# Altium PCB PMT_simulator.PcbDoc (part 5 of 5)
Units mm, origin at the board's own origin, x right, y up, seen from the top; angles counter-clockwise.
Board outline 222.04 x 100 mm, 4 copper layers (TopLayer, Internal Plane 1, Internal Plane 2, BottomLayer), stack 1.512 mm thick; 404 components, 266 nets, 1336 pads, 865 vias.
Unrouted connection lines stored in the file: 3.
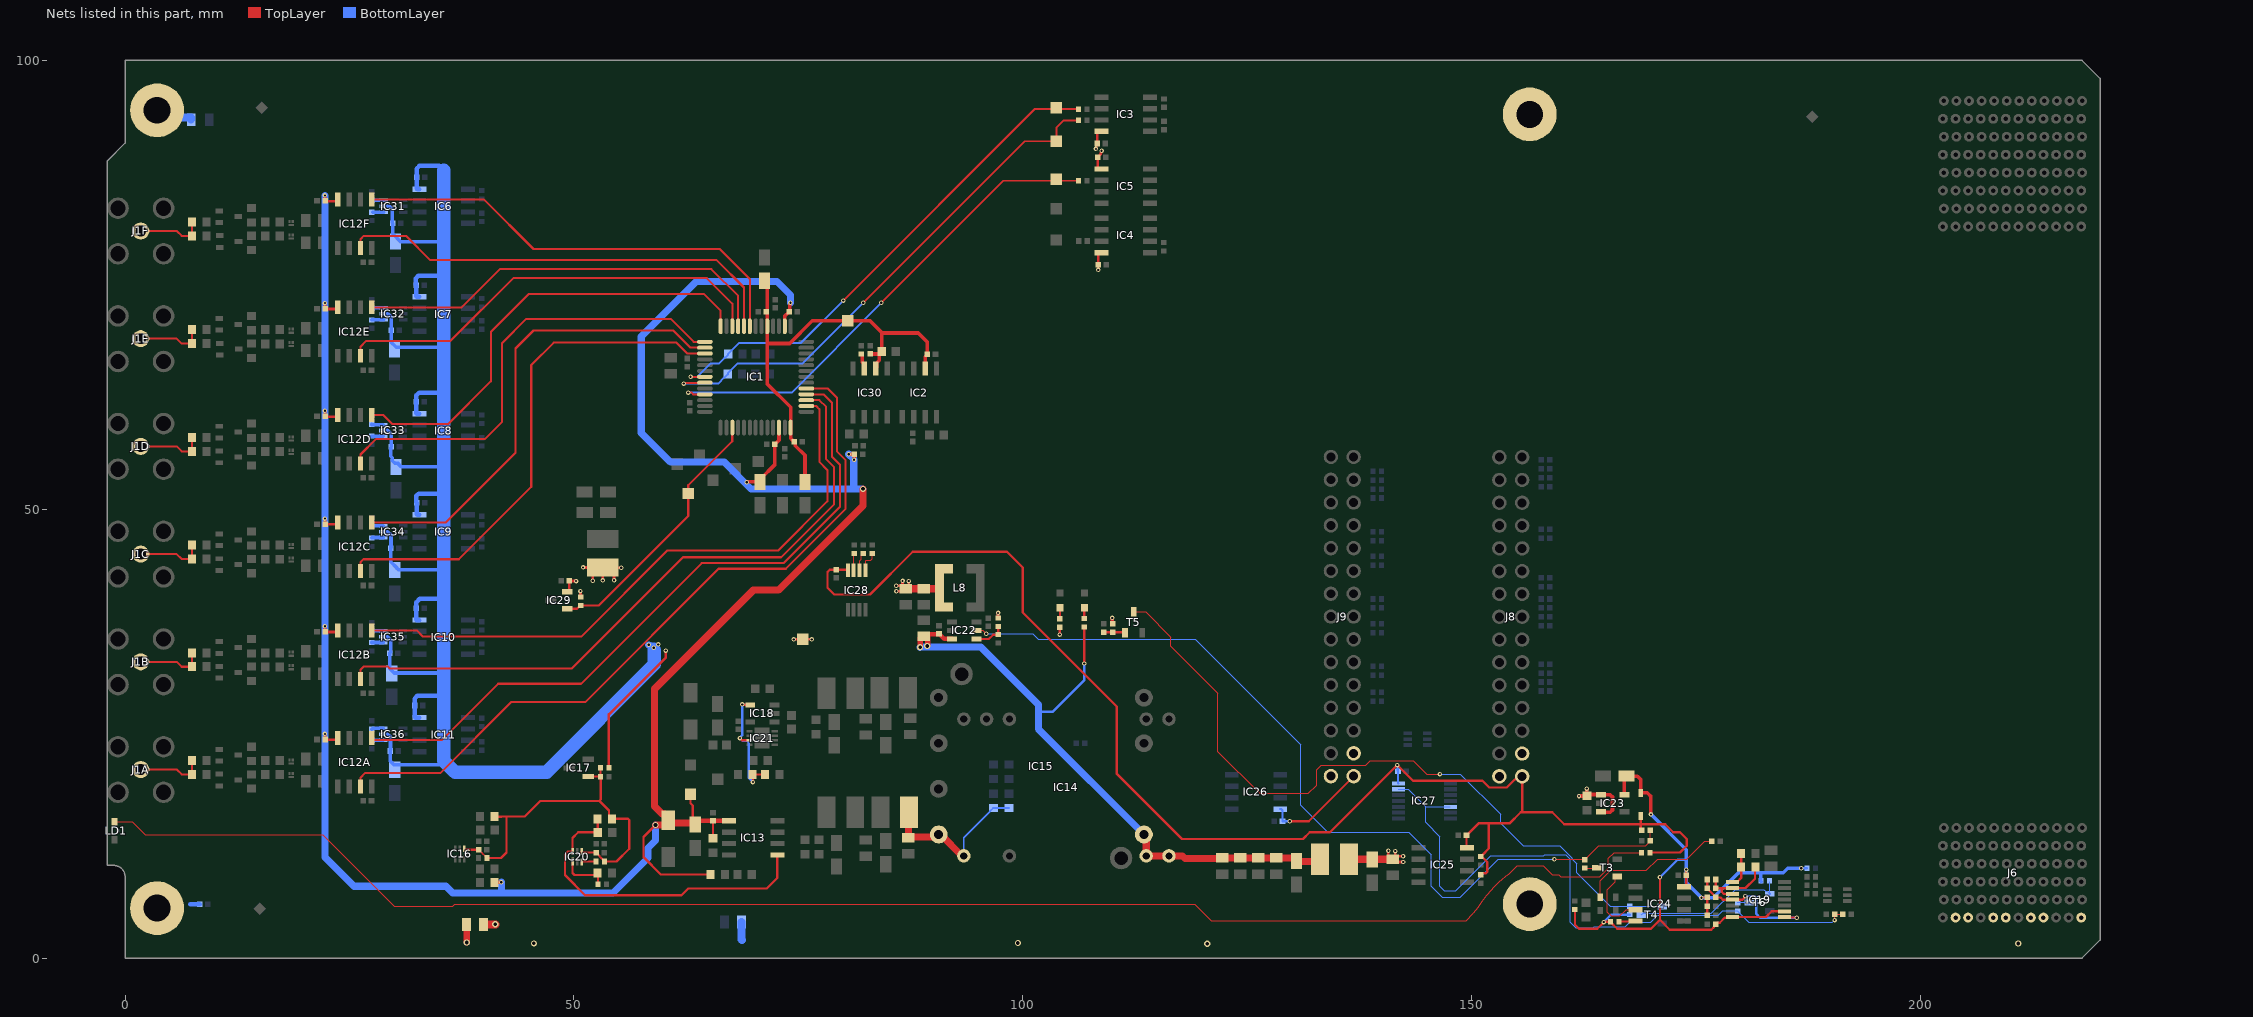
[diagram p7: the nets of this part, all layers, seen from the top]

## Via types
v1: diameter 0.5, hole 0.25, TopLayer to BottomLayer, tented both sides, 509 vias
v2: diameter 0.6, hole 0.3, TopLayer to BottomLayer, tented both sides, 338 vias
v3: diameter 0.7, hole 0.4, TopLayer to BottomLayer, tented both sides, 14 vias
v4: diameter 0.5, hole 0.25, TopLayer to BottomLayer, 4 vias

## Nets (pads, with @x,y where several pads share a name; then routed paths per layer and width w, separated by ;. In a path a pad name is that pad's centre, name@x,y a point inside that pad or via, vN(x,y) a via of type N, cw(c..) or ccw(c..) an arc to the next point about the centre after c; other vN are vias at no path point) (continued)
NetIC18_4: IC18.4 IC21.3 R60.1 R62.2 | length 14
  TopLayer w0.254: v1(68.5,24.5) 68.741,24.259 IC21.3@69.567,24.259 ; v1(68.75,28.25) 68.775,28.225 69.625,28.225 IC18.4@69.65,28.2 ; v1(69.956,19.606) 69.956,20.384 R60.1@69.9,20.44 R62.2@71.3,20.44
  BottomLayer w0.254: v1(68.75,28.25) 68.766,28.234 68.766,24.833 68.5,24.567 v1(68.5,24.5) 68.784,24.216 69.284,24.216 69.5,24 69.5,20.062 v1(69.956,19.606)
NetIC19_1: IC19.1 IC19.11 R41.1 R48.1 R54.1 | length 15.2
  TopLayer w0.254: R54.1@176.28,8.75 R48.1@176.28,7.75 176.28,7.73 177.057,6.953 177.057,6.913 R41.1@177.22,6.75 177.75,6.75 178,6.5 IC19.11@179.1,6.5 180.206,6.5 180.453,6.747 180.453,6.855 v1(180.5,6.902) ; IC19.1@184.9,4.55 184.933,4.517 186.203,4.517 v1(186.237,4.484)
  BottomLayer w0.254: v1(180.5,6.902) 181.598,6.902 181.75,6.75 181.75,4.899 182.165,4.484 v1(186.237,4.484)
NetIC19_8: IC19.8 R66.1 R72.1 | length 3.9
  TopLayer w0.254: IC19.8@179.1,8.45 179.6,8.45 179.698,8.548 179.698,8.564 180.05,8.916 R66.1@180.05,10.147 R72.1@180.05,11.647
NetIC19_9: IC19.9 IC19.10 R48.2 R54.2 R66.2 | length 8.9
  TopLayer w0.254: R54.2@177.22,8.75 R48.2@177.22,7.75 177.245,7.775 177.888,7.775 ; IC19.10@179.1,7.15 179.072,7.122 178.147,7.122 177.888,7.38 177.888,7.775 ; R66.2@181.65,10.147 181.586,10.083 181.586,8.836 180.55,7.8 IC19.9@179.1,7.8 179.075,7.775 177.888,7.775
NetIC20_1: IC20.1 R61.1 R65.2 | length 5.5
  TopLayer w0.254: IC20.1@49.856,10.756 49.856,9.464 50.071,9.25 52.41,9.25 R65.2@52.64,9.48 52.694,9.426 R61.1@52.694,8.242
NetIC20_3: IC20.3 R63.1 | length 1.7
  TopLayer w0.254: IC20.3@50.857,10.707 50.857,10.737 50.87,10.75 R63.1@52.48,10.75
NetIC22_4: IC22.4 R67.1 R68.2 | length 3.5
  TopLayer w0.254: IC22.4@94.85,35.55 96.237,35.55 96.716,36.029 R68.2@97.272,36.029 97.269,36.032 97.269,36.935 R67.1@97.265,36.939
NetIC22_5: IC22.5 R70.2 R75.2 R78.2 | length 97
  TopLayer w0.125: IC22.5@94.85,36.5 95.569,36.5 v1(95.946,36.123) ; v1(159.25,11) 162.569,11 R70.2@162.612,10.957 162.632,10.957 164.175,12.5 169.4,12.5 169.921,13.021 R78.2@169.921,13.041 169.92,13.042 R75.2@169.92,14.005 ; R75.2@169.761,14.076 R75.2@169.761,14.104
  BottomLayer w0.125: v1(95.946,36.123) 101.127,36.123 101.75,35.5 119.25,35.5 131,23.75 131,17 134,14 143,14 145.5,11.5 145.5,8 146.75,6.75 148.75,6.75 153,11 v1(159.25,11)
NetIC24_4: IC24.4 R71.2 | length 1.9
  TopLayer w0.254: R71.2@166.434,4.025 166.482,4.073 168.217,4.073 IC24.4@168.264,4.12
NetIC28_5: IC28.5 R79.2 | length 2.5
  TopLayer w0.125: IC28.5@82.475,43.2 82.5,43.225 82.5,44.269 82.573,44.342 83.092,44.342 83.25,44.5 R79.2@83.25,45.06
NetIC28_6: IC28.6 R80.2 | length 2
  TopLayer w0.125: IC28.6@81.825,43.2 81.825,44.256 82.003,44.433 82.003,44.833 82.23,45.06 R80.2@82.25,45.06
NetIC28_7: IC28.7 R81.2 | length 1.9
  TopLayer w0.125: IC28.7@81.175,43.2 81.175,44.985 R81.2@81.25,45.06
NetIC30_7: IC30.7 R39.2 | length 1.7
  TopLayer w0.4: R39.2@82,67.28 82.018,67.28 82.108,67.19 82.108,66.432 82.365,66.175 IC30.7@82.365,65.7
NetIC31_4: IC31.4 R14.2 | length 1.2
  BottomLayer w0.4: R14.2@27.594,83.098 27.599,83.103 IC31.4@28.792,83.103
NetIC31_6: IC31.6 R12.2 | length 1.3
  BottomLayer w0.4: R12.2@27.5,84.422 27.519,84.403 IC31.6@28.792,84.403
NetIC32_4: IC32.4 R18.2 | length 1.3
  BottomLayer w0.4: R18.2@27.5,71.096 27.536,71.132 IC32.4@28.794,71.132
NetIC32_6: IC32.6 R16.2 | length 1.3
  BottomLayer w0.4: R16.2@27.5,72.389 27.543,72.432 IC32.6@28.794,72.432
NetIC33_4: IC33.4 R22.2 | length 1.3
  BottomLayer w0.4: R22.2@27.5,58.152 27.527,58.125 IC33.4@28.759,58.125
NetIC33_6: IC33.6 R20.2 | length 1.3
  BottomLayer w0.4: R20.2@27.5,59.441 27.515,59.425 IC33.6@28.759,59.425
NetIC34_4: IC34.4 R26.2 | length 1.3
  BottomLayer w0.4: R26.2@27.5,46.802 27.548,46.85 IC34.4@28.773,46.85
NetIC34_6: IC34.6 R24.2 | length 1.3
  BottomLayer w0.4: R24.2@27.5,48.117 27.533,48.15 IC34.6@28.773,48.15
NetIC35_4: IC35.4 R30.2 | length 1.3
  BottomLayer w0.4: R30.2@27.5,35.151 27.502,35.154 IC35.4@28.754,35.154
NetIC35_6: IC35.6 R28.2 | length 1.3
  BottomLayer w0.4: R28.2@27.5,36.419 27.535,36.454 IC35.6@28.754,36.454
NetIC36_4: IC36.4 R34.2 | length 1.3
  BottomLayer w0.4: R34.2@27.5,24.25 27.528,24.278 IC36.4@28.764,24.278
NetIC36_6: IC36.6 R32.2 | length 1.3
  BottomLayer w0.4: R32.2@27.5,25.5 27.578,25.578 IC36.6@28.764,25.578
NetJ1A_1: J1A.1 R36A.1 R40A.1 | length 7.5
  TopLayer w0.23: J1A.1@1.75,21 5.75,21 6.296,20.454 R36A.1@7.45,20.454 R40A.1@7.45,22
NetJ1B_1: J1B.1 R36B.1 R40B.1 | length 7.5
  TopLayer w0.23: J1B.1@1.75,33 5.75,33 6.296,32.454 R36B.1@7.45,32.454 R40B.1@7.45,34
NetJ1C_1: J1C.1 R36C.1 R40C.1 | length 7.5
  TopLayer w0.23: J1C.1@1.75,45 5.75,45 6.296,44.454 R36C.1@7.45,44.454 R40C.1@7.45,46
NetJ1D_1: J1D.1 R36D.1 R40D.1 | length 7.5
  TopLayer w0.23: J1D.1@1.75,57 5.75,57 6.296,56.454 R36D.1@7.45,56.454 R40D.1@7.45,58
NetJ1E_1: J1E.1 R36E.1 R40E.1 | length 7.5
  TopLayer w0.23: J1E.1@1.75,69 5.75,69 6.296,68.454 R36E.1@7.45,68.454 R40E.1@7.45,70
NetJ1F_1: J1F.1 R36F.1 R40F.1 | length 7.5
  TopLayer w0.23: J1F.1@1.75,81 5.75,81 6.296,80.454 R36F.1@7.45,80.454 R40F.1@7.45,82
NetLD1_2: LD1.2 R82.1 | length 179.8
  TopLayer w0.125: LD1.2@-1.178,15.185 0.815,15.185 2.25,13.75 22,13.75 30,5.75 36.5,5.75 36.73,5.98 119.181,5.98 120.999,4.162 149.412,4.162 150.218,4.968 cw(c180.401,-16.117) 152.186,7.537 cw(c158.725,2.051) 152.69,8.087 cw(c160.494,0.282) 154.174,9.33 155.106,10.262 157.983,10.262 158.995,9.25 159.75,9.25 159.939,9.061 164.311,9.061 165.25,10 165.25,11.103 165.897,11.75 168.937,11.75 R82.1@168.946,11.741
NetLD2_2: LD2.2 R88.1 | length 1.2
  TopLayer w0.254: R88.1@106.873,37.819 106.873,38.998 LD2.2@106.901,39.025
NetLD3_2: LD3.2 R89.1 | length 1.2
  TopLayer w0.254: LD3.2@104.151,39.025 104.153,39.023 R89.1@104.153,37.791
NetR70_1: R70.1 T3.3 | length 1.4
  TopLayer w0.125: R70.1@162.612,10.017 163.932,10.017 T3.3@163.962,10.047
NetR74_1: R74.1 T4.1 T5.3 | length 82.1
  TopLayer w0.127: T5.3@112.372,38.559 113.697,38.559 116.5,35.756 116.5,34.75 121.75,29.5 121.75,23 126.41,18.34 131.84,18.34 132.75,19.25 132.75,21 133.25,21.5 138.25,21.5 138.75,22 143.5,22 145,20.5 v1(146.5,20.5)
  BottomLayer w0.127: v1(146.5,20.5) 148.75,20.5 153.25,16 153.25,15 155.75,12.5 159.858,12.5 161.253,11.105 161.253,10.997 161.75,10.5 161.75,9.5 165.477,5.773 R74.1@167.63,5.773 171.224,5.773 T4.1@171.241,5.755
NetR84_1: R84.1 R85.2 T5.1 | length 2.4
  TopLayer w0.254: R85.2@109.017,36.3 111.38,36.3 T5.1@111.422,36.259
NetR86_1: R86.1 T6.3 | length 1.3
  BottomLayer w0.127: R86.1@179.651,6.168 179.683,6.2 T6.3@180.95,6.2
P3V3: C21.2 C22.2 C23.2 C24.2 C25.2 C26.2 C27.2 C28.2 C29.2 C72.2 C73.2 C81.2 C84.2 C85.2 C86.2 C87.2 C88.2 C89.2 C90.1 C91.1 C92.1 C93.1 C94.1 C95.1 IC3.8 IC4.8 IC5.1 IC6.8 IC7.8 IC8.8 IC9.8 IC10.8 IC11.8 IC29.2 IC31.5 IC32.5 IC33.5 IC34.5 IC35.5 IC36.5 L1.1 L8.2 R56.1 R67.2 R83.2 R84.2 R89.2 TP16.1 | length 234.2
  TopLayer w0.254: v1@104.144,36.051 R89.2@104.144,36.842
  TopLayer w0.3: IC29.2@49.25,40.799 49.343,40.799 49.493,40.949 C81.2@49.493,42.01 49.498,42.005 50.245,42.005 v1(50.25,42) ; v1(50.736,40.883) 50.743,40.876 50.743,40.227 R83.2@50.75,40.22 ; v1(51.02,43.514) L1.1@51.96,43.514 ; v1(52.105,42.029) L1.1@52.105,42.969 ; v1(53.222,42.064) L1.1@53.222,43.003 ; R56.1@53.9,21.19 53.9,27.15 60.25,33.5 v1(60.25,34.25) ; L1.1@54.347,43.472 v1(55.286,43.472) ; v1(54.478,42.077) L1.1@54.478,43.017 ; v1(74.5,35.5) TP16.1@75.5,35.5 v1(76.5,35.5) ; v1(85.924,41.476) C73.2@86.625,41.476 ; v1(85.938,40.849) C73.2@86.877,40.849 ; C73.2@86.625,41.15 C73.2@86.625,41.476 ; v1(86.625,42.006) C73.2@86.625,41.476 ; C73.2@86.864,41.476 C73.2@86.625,41.476 ; C73.2@87.315,41.057 87.315,41.15 v1(87.315,41.997) ; v1(97.259,38.452) 97.262,38.449 97.262,37.882 R67.2@97.265,37.879 ; v1(108.168,90.139) 108.206,90.177 108.206,90.656 C26.2@108.3,90.75 108.3,91.945 108.45,92.095 IC3.8@108.8,92.095 ; C22.2@108.378,89.169 108.378,88.055 108.296,88.055 108.446,87.905 IC5.1@108.8,87.905 ; C22.2@108.378,89.239 108.691,89.552 108.691,89.672 108.76,89.741 108.76,89.907 v1(108.798,89.945) ; v1(108.423,76.657) 108.425,76.659 108.425,77.252 C23.2@108.427,77.254 ; C23.2@108.423,77.254 108.423,78.445 108.573,78.595 IC4.8@108.8,78.595
  TopLayer w0.4: v1(104.135,36.042) v1@104.144,36.051 ; R89.2@104.144,36.842 R89.2@104.153,36.851 ; v1(109.975,37.884) 109.994,37.864 109.994,37.267 R84.2@110.022,37.239
  TopLayer w0.8: C73.2@87,41.15 87.315,41.15 C72.2@89,41.15 90.663,41.15 90.738,41.225 L8.2@90.738,41.229
  BottomLayer w0.4: IC35.5@28.754,35.804 29.242,35.804 29.581,35.465 29.581,34.064 C88.2@29.495,33.978 29.495,32.255 30,31.75 35.336,31.75 35.5,31.586 ; IC33.5@28.759,58.775 29.246,58.775 29.673,58.349 C86.2@29.673,56.941 29.597,56.865 29.597,55.903 29.771,55.729 29.771,55.41 30.036,55.145 30.355,55.145 30.75,54.75 35.5,54.75 ; IC36.5@28.764,24.928 29.251,24.928 29.566,24.614 C89.2@29.566,23.199 ; IC34.5@28.773,47.5 29.26,47.5 29.63,47.13 29.63,45.698 C87.2@29.595,45.663 29.595,44.155 30.304,43.446 30.304,43.405 30.459,43.25 35.5,43.25 ; IC31.5@28.792,83.753 29.497,83.753 29.75,83.5 29.75,81.949 C84.2@29.816,81.883 29.816,80.684 30.681,79.819 35.5,79.819 ; IC32.5@28.794,71.782 29.281,71.782 29.631,71.433 C85.2@29.631,69.929 29.631,68.619 30.213,68.037 35.5,68.037 ; C89.2@29.557,23.064 29.557,21.943 29.951,21.549 35.49,21.549 35.705,21.764
  BottomLayer w0.5: IC11.8@32.8,26.79 32.325,26.79 32.254,26.861 C24.2@32.254,28.133 32.254,28.91 32.547,29.203 35.5,29.203 ; IC10.8@32.8,37.655 32.473,37.655 32.423,37.705 C27.2@32.423,38.99 32.459,39.026 32.459,39.634 32.836,40.011 35.5,40.011 ; IC9.8@32.8,49.405 32.525,49.405 32.475,49.455 C29.2@32.475,50.743 32.453,50.766 32.453,51.496 32.707,51.75 35.291,51.75 35.5,51.959 ; IC8.8@32.8,60.655 32.502,60.655 32.452,60.705 C28.2@32.452,61.98 32.464,61.991 32.464,62.707 32.757,63 35.5,63 ; IC7.8@32.8,73.655 32.475,73.655 32.425,73.705 C25.2@32.425,74.961 32.385,75.001 32.385,75.707 32.678,76 35.5,76 ; IC6.8@32.8,85.655 32.556,85.655 32.506,85.705 C21.2@32.506,86.991 32.506,87.957 32.798,88.25 35,88.25 35.5,87.75
  BottomLayer w0.8: v1(58.345,34.889) 58.361,34.889 58.488,34.762 v1@58.958,34.762 ; v1@58.715,34.519 58.961,34.273
  BottomLayer w1.5: 35.5,87.75 35.5,79.819 35.5,76 35.5,68.037 35.5,63 35.5,54.75 35.5,51.959 35.5,43.25 35.5,40.011 35.5,31.586 35.5,29.203 35.5,21.969 35.705,21.764 36.762,20.707 46.957,20.707 58.961,32.711 58.961,34.273
  other v1: 58.904,34.558 59.399,34.943
P3V3_DIOT: C65.1 C74.2 C76.2 D9.2 IC19.2 IC19.14 IC23.5 IC24.8 R41.2 R46.1 R64.1 R69.1 R71.1 R73.1 R74.2 R87.2 | length 78
  TopLayer w0.254: R73.1@161.524,5.397 161.533,5.388 161.533,3.717 162,3.25 164.023,3.25 v1@164.762,3.988 ; v1@164.808,4.028 165.491,4.028 R71.1@165.494,4.025 165.494,4.005 166.249,3.25 170,3.25 171,4.25 ; v1(171,9) 171,4.25 ; IC24.8@173.664,7.93 173.75,7.93 173.923,8.103 C76.2@173.923,9.239 173.926,9.242 173.926,9.845 v1(173.928,9.848) ; v1(175.633,6.708) 175.654,6.729 176.259,6.729 R41.2@176.28,6.75 R64.1@176.28,5.75 R46.1@176.28,4.75 ; C74.2@177.2,3.753 177.017,3.57 177.017,3.463 176.71,3.155 172.095,3.155 171,4.25 ; C74.2@177.383,3.936 177.662,3.936 178.198,4.472 179.022,4.472 IC19.14@179.1,4.55 ; IC19.14@179.431,4.568 182.818,4.568 183.45,5.2 IC19.2@184.9,5.2
  TopLayer w0.4: IC23.5@167.05,18.2 167.05,20.065 C65.1@167.264,20.279 167.294,20.25 168.5,20.25 168.86,19.89 D9.2@168.86,18.407 169.593,18.407 169.749,18.25 170,18 v1(170,16)
  BottomLayer w0.254: v1(164.75,4) 165.583,4.833 R74.2@167.63,4.833 ; v1(171,9) 172.96,10.96 173.928,10.96 ; v1(186.75,10) 186.756,10.006 187.385,10.006 R69.1@187.391,10.011
  BottomLayer w0.4: v1(170,16) 173.928,12.072 173.928,10.96 v1(173.928,9.848) 173.928,8.412 v1(175.633,6.708) 176.958,6.708 179.75,9.5 182.146,9.5 ; R87.2@182.28,8.5 182.236,8.544 182.236,9.41 182.146,9.5 ; v1(186.75,10) 185.25,10 184.75,9.5 182.146,9.5
P3V3_MP: C79.2 C80.2 C219.2 D9.1 IC25.8 IC27.14 IC28.8 J8.30 R75.1 R76.2 R77.2 R82.2 | length 157.5
  TopLayer w0.254: IC28.8@80.525,43.2 80.475,43.25 C80.2@79.25,43.25 78.5,43.25 78.25,43 78.25,41.25 79,40.5 83,40.5 87.75,45.25 98.25,45.25 100,43.5 100,38.5 110.5,28 110.5,20.5 117.75,13.25 131.25,13.25 132,14 134.25,14 v1(141.75,21.5) 143.5,19.75 151.242,19.75 151.992,19 153.936,19 154.833,19.897 154.949,19.897 155.29,20.238 J8.30@155.654,20.238 155.654,16.25 ; IC25.8@149.5,12.27 149.453,12.317 C219.2@149.453,13.656 150.796,15 151.929,15 ; R76.2@151.028,9.273 151.191,9.436 151.621,9.436 151.77,9.585 151.77,10.686 151.317,11.138 151.205,11.138 R77.2@151.042,11.301 151.062,11.301 151.225,11.464 151.225,11.484 151.929,12.189 151.929,15 ; R75.1@168.852,14.133 168.852,14.89 ; 168.86,14.899 168.86,14.902 ; D9.1@168.86,15.807 168.86,14.902 ; 168.98,14.899 171.586,14.899 172.485,14 173.25,14 174,13.25 174,12.5 173.25,11.75 R82.2@169.827,11.75 ; 151.929,15 154.25,15 155.5,16.25 155.654,16.25 ; 155.654,16.25 159.006,16.25 160.353,14.902 168.86,14.902
  BottomLayer w0.254: v1(141.75,21.5) 141.786,21.464 141.786,20.833 C79.2@141.822,20.797 141.822,19.478 IC27.14@141.85,19.45
P3V3_MP2: C220.2 IC26.8 J9.30 | length 11.5
  TopLayer w0.254: v1(129.75,15.25) 131.87,15.25 J9.30@136.884,20.264
  BottomLayer w0.254: IC26.8@128.7,16.595 128.777,16.595 128.95,16.422 C220.2@128.95,15.25 v1(129.75,15.25)
P3V3_PSEQ: C53.2 C61.2 IC16.4 IC17.1 IC20.4 R51.1 R53.1 R56.2 R57.2 R59.1 R63.2 | length 42.1
  TopLayer w0.18: C53.2@39.402,12.07 39.775,11.697 39.775,11.67 39.902,11.543 39.941,11.543 R57.2@40.159,11.325
  TopLayer w0.23: C61.2@52.5,11.75 52.848,11.402 52.848,11.34 52.99,11.198 52.992,11.198 53.42,10.77 R63.2@53.42,10.75
  TopLayer w0.254: IC16.4@37.761,12.177 37.761,12.083 37.774,12.07 C53.2@39.402,12.07 ; R57.2@40.159,11.325 40.322,11.162 R57.2@40.322,11.142 41.892,11.142 42.5,11.75 42.5,15.778 ; 41.931,15.75 41.169,15.75 R51.1@41.142,15.778 42.5,15.778 ; IC20.4@50.857,11.857 50.857,11.763 50.87,11.75 C61.2@52.5,11.75 ; IC17.1@51.596,20.211 52.939,20.211 R53.1@52.96,20.19 ; R56.2@52.96,21.19 R53.1@52.96,20.19 ; R63.2@53.42,10.75 54.75,10.75 56.172,12.172 56.172,15.351 56.023,15.5 R59.1@54.24,15.5 53.917,15.823 53.917,16.436 52.853,17.5 ; 42.5,15.778 44.528,15.778 46.25,17.5 52.853,17.5 ; 52.853,17.5 53.002,17.649 53.002,20.148 R53.1@52.96,20.19
P12V: C43.1 C44.2 C45.2 C46.2 C47.2 C70.2 C71.2 IC14.22 IC14.23 IC15.1 IC22.3 L4.1 R88.2 | length 75.8
  TopLayer w0.254: v1(106.874,32.812) R88.2@106.873,36.879
  TopLayer w0.5: C71.2@89,35.85 89.236,36.086 90.63,36.086 C70.2@90.683,36.139 91.271,35.55 IC22.3@92.15,35.55
  TopLayer w0.6: v3(88.573,34.627) 88.573,34.654 88.6,34.681 88.6,35.625 88.825,35.85 C71.2@89,35.85 ; v3@89.409,34.815 C71.2@89.409,35.759
  TopLayer w0.8: IC15.1@113.512,13.767 113.512,13.442 113.777,13.177 IC14.22@113.777,11.557 ; IC14.22@113.765,11.38 IC14.23@116.305,11.38 ; IC14.23@116.32,11.265 116.435,11.38 117.823,11.38 118.108,11.095 C45.2@122.179,11.095 ; C45.2@122.25,11.15 C44.2@124.25,11.15 C46.2@126.25,11.15 C47.2@128.25,11.15 ; C47.2@128.268,11.132 130.275,11.132 130.5,10.907 C43.1@130.5,10.8 130.561,10.739 132.889,10.739 L4.1@133.15,11
  BottomLayer w0.3: 101.75,27.5 101.83,27.42 103.318,27.42 106.874,30.976 v1(106.874,32.812)
  BottomLayer w0.8: v3(88.573,34.627) 88.604,34.658 95.342,34.658 101.75,28.25 101.75,27.5 101.75,25.529 IC15.1@113.512,13.767
  other v3: 89.382,34.761
P12V0: C36.1 C37.2 C60.2 IC23.1 IC23.3 J6.A1 J6.D1 J6.E1 J6.G1 J6.H1 J6.J1 J6.K1 J8.28 J8.29 J9.28 J9.29 L4.2 | length 16.2
  TopLayer w0.3: C37.2@140.75,11 v1(140.75,11.94) ; C37.2@141.45,11.338 v1(142.39,11.338) ; C37.2@141.476,10.696 v1(142.416,10.696) ; C37.2@141.512,10.976 v1(141.512,11.916)
  TopLayer w0.4: v1(161.987,18.043) 161.992,18.048 162.86,18.048 C60.2@162.865,18.052 ; v1(162.858,18.875) 162.862,18.872 162.862,18.056 C60.2@162.865,18.052 ; IC23.1@164.434,18.216 163.028,18.216 C60.2@162.865,18.052 ; IC23.3@164.45,16.3 164.5,16.25 165.486,16.25 165.72,16.484 165.72,17.935 165.486,18.17 164.48,18.17 IC23.1@164.45,18.2
  TopLayer w0.8: L4.2@136.35,11 136.353,11.003 C37.2@141.237,11.003
P12V0A: C10.1 C11.2 C12.2 C33.2 C34.1 C35.2 C59A.2 C59B.2 C59C.2 C59D.2 C59E.2 C59F.2 D3.1 IC1.11 IC1.28 IC12A.8 IC12B.8 IC12C.8 IC12D.8 IC12E.8 IC12F.8 IC13.1 R3.1 R43.2 R55.2 TP14.1 | length 282.9
  TopLayer w0.254: v3(59.098,14.819) 57.75,13.471 57.75,11.25 59.689,9.311 R43.2@65.215,9.311 ; TP14.1@63,18.25 63,17.25 63.25,17 63.25,15.126 C34.1@63.343,15.032 ; C35.2@65.5,13.35 C33.2@65.5,15.3
  TopLayer w0.3: v1(22.271,24.965) 22.276,24.96 22.276,24.353 C59A.2@22.282,24.348 ; v1(22.271,36.965) 22.276,36.96 22.276,36.353 C59B.2@22.282,36.348 ; v1(22.271,48.965) 22.276,48.96 22.276,48.353 C59C.2@22.282,48.348 ; v1(22.271,60.965) 22.276,60.96 22.276,60.353 C59D.2@22.282,60.348 ; v1(22.271,72.965) 22.276,72.96 22.276,72.353 C59E.2@22.282,72.348 ; v1(22.271,84.965) 22.276,84.96 22.276,84.353 C59F.2@22.282,84.348 ; C59A.2@22.287,24.317 23.535,24.317 23.685,24.467 IC12A.8@23.685,24.5 ; C59B.2@22.287,36.317 23.535,36.317 23.685,36.467 IC12B.8@23.685,36.5 ; C59C.2@22.287,48.317 23.535,48.317 23.685,48.467 IC12C.8@23.685,48.5 ; C59D.2@22.287,60.317 23.535,60.317 23.685,60.467 IC12D.8@23.685,60.5 ; C59E.2@22.287,72.317 23.535,72.317 23.685,72.467 IC12E.8@23.685,72.5 ; C59F.2@22.287,84.317 23.535,84.317 23.685,84.467 IC12F.8@23.685,84.5
  TopLayer w0.4: R55.2@41.142,8.401 41.174,8.434 41.901,8.434 v1(41.92,8.453) ; v1(69.25,53) 69.277,53 69.327,53.05 C10.1@70.75,53.05 70.75,53.325 72.4,54.975 C11.2@72.4,57.25 72.85,57.7 IC1.11@72.85,59.1 ; IC1.28@73.5,70.4 73.51,70.41 73.51,71.531 C12.2@73.984,72.005 74.065,72.086 74.065,72.915 74.131,72.981 v1(74.131,73.008) ; v1(80.626,56.127) 81.245,56.127 81.244,56.126 v1@81.244,55.465
  TopLayer w0.5: C34.1@63.515,14.902 63.89,15.277 C33.2@65.477,15.277 ; C33.2@65.505,15.305 67.51,15.305 IC13.1@67.515,15.311
  TopLayer w0.8: v3(59.098,14.819) 60.14,14.819 60.515,15.194 D3.1@60.515,15.361 ; C34.1@63.515,14.861 63.343,15.032 60.843,15.032 D3.1@60.515,15.361 ; v3(82.211,52.261) 82.211,50.389 72.808,40.986 69.986,40.986 59,30 59,16.876 59.815,16.061 60.14,16.061 60.515,15.686 D3.1@60.515,15.361
  BottomLayer w0.8: v1(22.271,84.965) v1(22.271,72.965) v1(22.271,60.965) v1(22.271,48.965) v1(22.271,36.965) v1(22.271,24.965) 22.271,11.229 25.5,8 35.75,8 36.5,7.25 41.75,7.25 ; v1(41.92,8.453) 41.92,7.42 41.75,7.25 ; v3(59.098,14.819) 59.098,13.098 58.25,12.25 58.25,11.128 54.372,7.25 41.75,7.25 ; v1(74.131,73.008) 74.131,73.869 72.625,75.375 63.625,75.375 57.5,69.25 57.5,58.5 60.75,55.25 66.75,55.25 69.75,52.25 81.189,52.25 ; v1(80.626,56.127) v1@81.196,55.557 ; v1@81.189,55.47 81.189,52.25 ; v3(82.211,52.261) 82.201,52.25 81.189,52.25
  other v1: 81.22,55.501
P13V0: C38.2 IC14.14 IC15.7 L2.1 R44.2 R49.2 | length 18.6
  TopLayer w0.8: C38.2@87.25,13.4 C38.2@87.3,13.45 ; L2.1@87.35,16.25 87.3,16.2 C38.2@87.3,13.45 ; IC14.14@93.445,11.38 93.256,11.38 90.869,13.767 IC15.7@90.652,13.767 90.327,13.767 90.046,13.486 87.336,13.486 C38.2@87.3,13.45
  BottomLayer w0.2: IC14.14@93.445,11.38 93.445,13.395 96.35,16.3 96.35,16.35 96.7,16.7 R44.2@98.5,16.7
P_LDO_EN: C62.2 IC13.5 IC20.6 R59.2 | length 37.3
  TopLayer w0.254: R59.2@52.64,15.5 52.665,15.475 C62.2@52.665,14 50.5,14 49.857,13.357 IC20.6@49.857,11.857 49.357,11.857 49,11.5 49,9.25 51.25,7 62,7 62.75,7.75 71.5,7.75 72.672,8.922 IC13.5@72.672,11.481
PGOOD: R87.1 T4.3 T6.1 | length 17
  BottomLayer w0.127: T4.3@168.941,4.805 169.136,5 176.75,5 179.376,7.626 182.558,7.626 182.772,7.412 182.988,7.412 T6.1@183.25,7.15 ; T6.1@183.22,7.18 R87.1@183.22,8.5
  BottomLayer w0.254: T6.1@183.22,7.18 T6.1@183.25,7.15
REF: C3.1 C4.2 C5.2 C8.1 C9.2 C82.1 C96.2 IC1.13 IC1.31 IC2.6 IC30.6 TP11.1 | length 52.4
  TopLayer w0.4: C8.1@71.25,75.45 71.55,75.15 IC1.31@71.55,70.4 71.55,68.466 ; IC1.13@74.15,59.1 74.15,61.35 71.55,63.95 71.55,68.466 ; IC1.13@74.16,59.09 74.16,57.89 C4.2@74.55,57.5 74.66,57.39 74.66,57.09 75.75,56 C3.1@75.75,53.05 ; C82.1@83,67.3 83.983,67.3 C5.2@84.008,67.3 ; IC30.6@83.635,65.7 83.735,65.801 83.735,66.306 84.008,66.579 84.008,67.325 C5.2@84.283,67.6 84.283,69.717 ; IC2.6@89.135,65.7 89.135,67.009 C96.2@89.393,67.267 89.393,68.607 88.363,69.637 84.363,69.637 84.283,69.717 ; 71.55,68.466 74.036,68.466 76.57,71 TP11.1@80.5,71 83,71 84.283,69.717
RESETn: IC1.3 IC29.1 R83.1 TP7.1 | length 29.7
  TopLayer w0.254: IC29.1@49.25,38.899 50.349,38.899 50.73,39.28 R83.1@50.75,39.28 52.78,39.28 62.75,49.25 62.75,52.669 67.65,57.569 IC1.3@67.65,59.1
RST: IC24.3 T3.1 | length 8
  TopLayer w0.125: T3.1@166.262,9.097 166.046,8.881 166.046,8.51 165.153,7.617 165.153,5.087 165.554,4.685 166.542,4.685 167.247,5.39 IC24.3@168.264,5.39
RSTn: D7.1 R133.1 | length 16.1
  TopLayer w0.127: D7.1@164.364,6.775 164.364,8.614 165.5,9.75 169.5,9.75 170.75,11 174,11 176,13 R133.1@176.78,13
SCKI: IC1.46 R1.2 R7.1 TP1.1 | length 57.2
  TopLayer w0.22: v1(80,73.25) 101.32,94.57 R7.1@106.229,94.57
  TopLayer w0.23: v1(63,64.75) IC1.46@64.6,64.75
  BottomLayer w0.22: v1(63,64.75) 63.75,64.75 65.25,66.25 66.174,66.25 66.806,66.882 66.856,66.882 67.196,67.222 R1.2@67.196,67.272 67.196,67.322 68.374,68.5 75.25,68.5 v1(80,73.25)
SDI: IC1.47 R2.2 R5.1 TP2.1 | length 59.5
  TopLayer w0.22: v1(82.25,73) 100.25,91 TP2.1@103.75,91 103.75,92.5 104.583,93.333 R5.1@106.238,93.333
  TopLayer w0.23: v1(62.25,64) 62.3,64.05 64.55,64.05 IC1.47@64.6,64.1
  BottomLayer w0.22: v1(62.25,64) 66.062,64 66.756,64.694 66.806,64.694 67.146,65.034 R2.2@67.146,65.084 67.146,65.134 68.262,66.25 75.5,66.25 v1(82.25,73)
SDO: IC1.49 R10.1 TP3.1 | length 55.2
  TopLayer w0.22: v1(84.25,73) 97.848,86.598 R10.1@106.238,86.598
  TopLayer w0.23: v1(62.75,63) 62.763,62.987 63.113,62.987 63.3,62.8 IC1.49@64.6,62.8
  BottomLayer w0.22: v1(62.75,63) 74.25,63 v1(84.25,73)
SERVMOD: IC27.5 IC27.13 R86.2 R129.2 R138.1 | length 72.4
  TopLayer w0.125: v1(190.466,4.228) 190.466,4.834 R129.2@190.483,4.851 R138.1@191.376,4.851
  BottomLayer w0.125: 158.043,11.398 158.144,11.5 160.5,11.5 161,11 161,4 161.635,3.365 163.578,3.365 163.713,3.5 167.125,3.5 167.625,4 170,4 170.747,4.747 177.497,4.747 178,5.25 179.628,5.25 R86.2@179.651,5.228 179.671,5.228 180.923,3.976 190.205,3.976 190.458,4.228 v1(190.466,4.228)
  BottomLayer w0.127: IC27.13@141.85,18.8 142.95,18.8 144.9,16.85 ; IC27.5@147.65,16.85 144.9,16.85 ; 158.043,11.398 152.148,11.398 148.25,7.5 147,7.5 146.5,8 146.5,13.5 144.9,15.1 144.9,16.85
STRIP1: C212.1 M1.1 M2.1 M3.1 M4.1 R120.2 R126.1 | length 7.4
  TopLayer w0.7: v3(38.05,1.725) R120.2@38.05,3.75
  BottomLayer w0.5: 7.25,6 C212.1@8.3,6
  BottomLayer w0.9: M3.1@3.57,94.45 4.37,93.65 7.325,93.65 7.35,93.625 R126.1@7.35,93.4
STRIP2: R119.1 | length 2
  BottomLayer w0.9: R119.1@68.7,4 68.7,2.05 68.75,2
  other v3: 45.55,1.625 99.475,1.675
STRIP3: R120.1 | length 1.3
  TopLayer w0.9: R120.1@39.95,3.75 v3(41.25,3.75)
  other v3: 120.575,1.6 210.939,1.62
VDD: 
VOUT1: IC1.34 IC12F.5 | length 51
  TopLayer w0.23: IC12F.5@27.495,84.5 40,84.5 45.5,79 66.25,79 69.6,75.65 IC1.34@69.6,70.4
VOUT2: IC1.35 IC12F.3 | length 50.6
  TopLayer w0.23: IC12F.3@26.225,79.1 26.225,80.102 26.574,80.451 31.299,80.451 34,77.75 65.908,77.75 68.95,74.708 IC1.35@68.95,70.4
VOUT3: IC1.36 IC12E.5 | length 47.2
  TopLayer w0.23: IC12E.5@27.495,72.5 37.5,72.5 41.75,76.75 65.324,76.75 68.3,73.774 IC1.36@68.3,70.4
VOUT4: IC1.37 IC12E.3 | length 49.3
  TopLayer w0.23: IC12E.3@26.225,67.1 26.225,68.102 26.873,68.75 36.25,68.75 43.25,75.75 64.808,75.75 67.65,72.908 IC1.37@67.65,70.4
VOUT5: IC1.39 IC12D.5 | length 51
  TopLayer w0.23: IC12D.5@27.495,60.5 28.75,60.5 29.75,59.5 36,59.5 40.75,64.25 40.75,69.75 45,74 64.473,74 66.35,72.123 IC1.39@66.35,70.4
VOUT6: IC1.40 IC12D.3 | length 51.8
  TopLayer w0.23: IC12D.3@26.225,55.1 26.225,56.102 27.942,57.819 40.069,57.819 42,59.75 42,68.524 44.69,71.214 60.786,71.214 63.35,68.65 IC1.40@64.6,68.65
VOUT7: IC1.41 IC12C.5 | length 53.6
  TopLayer w0.23: IC12C.5@27.495,48.5 35.695,48.5 43.5,56.305 43.5,67.91 45.502,69.911 61.089,69.911 63,68 IC1.41@64.6,68
VOUT8: IC1.42 IC12C.3 | length 58
  TopLayer w0.23: IC12C.3@26.225,43.1 26.225,44.102 26.553,44.43 37.18,44.43 45.25,52.5 45.25,66.067 47.752,68.569 61.431,68.569 62.65,67.35 IC1.42@64.6,67.35
VOUT9: IC1.15 IC12B.5 | length 69.5
  TopLayer w0.23: IC12B.5@27.495,36.5 28.75,36.5 32.5,36.5 33.195,35.805 50.805,35.805 60.404,45.404 72.778,45.404 78.25,50.876 78.25,54.374 77.352,55.272 77.352,61.148 77,61.5 IC1.15@75.9,61.5
VOUT10: IC1.16 IC12B.3 | length 75.4
  TopLayer w0.23: IC12B.3@26.225,31.1 26.225,32.102 26.623,32.5 29.25,32.5 29.5,32.25 49.75,32.25 62.154,44.654 73.088,44.654 79,50.565 79,54.685 78.102,55.583 78.102,61.398 77.35,62.15 IC1.16@75.9,62.15
VOUT11: IC1.17 IC12A.5 | length 78.2
  TopLayer w0.23: IC12A.5@27.495,24.5 27.495,24.467 27.68,24.282 35.282,24.282 41.56,30.56 50.81,30.56 64.25,44 73.359,44 79.654,50.294 79.654,54.956 78.756,55.853 78.756,61.862 77.818,62.8 IC1.17@75.9,62.8
VOUT12: IC1.18 IC12A.3 | length 84.1
  TopLayer w0.23: IC12A.3@26.225,19.1 26.225,20.102 26.716,20.593 35.093,20.593 43,28.5 51.25,28.5 66.12,43.37 73.62,43.37 80.284,50.034 80.284,55.466 79.303,56.447 79.303,62.447 78.3,63.45 IC1.18@75.9,63.45
pads on no net: D5.5 D6.6 D8.5 FTG1.1 FTG2.1 FTG3.1 FTG4.1 FTG5.1 FTG6.1 IC1.7 IC1.8 IC1.9 IC1.10 IC1.14 IC1.20 IC1.21 IC1.22 IC1.23 IC1.24 IC1.25 IC1.26 IC1.27 IC1.30 IC1.32 IC1.33 IC1.48 IC2.1 IC2.5 IC2.7 IC2.8 IC4.3 IC4.4 IC4.6 IC5.5 IC5.6 IC15.9 IC17.3 IC23.4 IC25.7 IC26.7 IC27.9 IC30.1 IC30.3 IC30.5 IC30.8 J6.A5 J6.B1 J6.B5 J6.D5 J6.E4 J6.E5 J6.F4 J6.G3 J6.H3 J6.I2 J6.J3 J6.K3 J6.L2 J7.A3 J7.A5 J7.A7 J7.A8 J7.B2 J7.B3 J7.B4 J7.B5 J7.B6 J7.B7 J7.B8 J7.C2 J7.C4 J7.C6 J7.C8 J7.D3 J7.D5 J7.D7 J7.D8 J7.E2 J7.E3 J7.E4 J7.E5 J7.E6 J7.E7 J7.E8 J7.F2 J7.F4 J7.F6 J7.F8 J7.G3 J7.G5 J7.G7 J7.H2 J7.H3 J7.H4 J7.H5 J7.H6 J7.H7 J7.H8 J7.I2 J7.I4 J7.I6 J7.I8 J7.J3 J7.J5 J7.J7 J7.K2 J7.K3 J7.K4 J7.K5 J7.K6 J7.K7 J7.K8 J7.L2 J7.L4 J7.L6 J7.L8 LD1.3 R140.1

## Polygon pours and split planes (outlines as drawn)
no net on TopLayer "BAL_TOP" (solid, pour order 171): -0.225,98.099 -0.225,2.15 219.96,2.15 219.875,2.235 219.875,98.175
STRIP3 on TopLayer "STRIP3_L01_P173" (solid, pour order 173): 217.533,1 217.55,1 218.79,2.24 120,2.24 120,1
STRIP1 on TopLayer "esd1" (solid, pour order 172): 0.25,7.075 7.375,7.075 7.375,2.55 40,2.55 40,1.05 0.25,1.05
STRIP2 on TopLayer "esd1" (solid, pour order 174): 82.933,1 100,1 100,2.269 45,2.269 45,1
no net on BottomLayer "BAL_BOT" (solid, pour order 147): 2.4,98.525 220.039,98.525 220.039,3.023 6.706,3.023 6.629,3.099 4.318,5.41 4.318,8.179 -0.5,8.179 -0.155,89.368 2.4,91.923
STRIP3 on BottomLayer "STRIP3_L04_P176" (solid, pour order 176): 217.533,1 217.55,1 218.79,2.24 120,2.24 120,1
STRIP2 on BottomLayer "esd1" (solid, pour order 177): 82.933,1 100,1 100,2.269 45,2.269 45,1
STRIP1 on BottomLayer "esd1" (solid, pour order 175): 0.25,7.075 7.375,7.075 7.375,2.55 40,2.55 40,1.05 0.25,1.05
GND on Internal Plane 1 (split plane): 219.437,97.751 219.437,2.249 217.79,0.602 0.602,0.602 0.602,9.042 0.593,9.226 0.566,9.408 0.522,9.586 0.46,9.759 0.381,9.925 0.287,10.083 0.177,10.23 0.054,10.366 -0.082,10.49 -0.23,10.599 -0.387,10.694 -0.554,10.772 -0.727,10.834 -0.905,10.879 -1.086,10.906 -1.27,10.915 -1.27,10.914 -1.398,10.914 -1.398,88.551 0.426,90.374 0.487,90.446 0.536,90.527 0.572,90.614 0.594,90.706 0.602,90.8 0.602,99.398 217.79,99.398
STRIP3 on Internal Plane 2 (split plane): 43.66,2.41 43.688,2.391 43.701,2.382 43.75,2.373 121.373,2.373 121.373,0.602 39.627,0.602 39.627,4.623 41.447,4.623
GND on Internal Plane 2 (split plane): 219.437,97.751 219.437,5.629 177.554,5.629 159.092,24.092 159.05,24.12 159,24.129 133.5,24.129 133.45,24.12 133.408,24.092 132.158,22.842 132.13,22.8 132.121,22.75 132.121,0.602 121.627,0.602 121.627,2.5 121.618,2.549 121.59,2.59 121.549,2.618 121.5,2.627 43.803,2.627 41.59,4.84 41.549,4.868 41.5,4.877 39.5,4.877 39.451,4.868 39.41,4.84 39.382,4.799 39.373,4.75 39.373,0.602 0.602,0.602 0.602,9.042 0.593,9.226 0.566,9.408 0.522,9.586 0.46,9.759 0.381,9.925 0.287,10.083 0.177,10.23 0.054,10.366 -0.082,10.49 -0.23,10.599 -0.387,10.694 -0.554,10.772 -0.727,10.834 -0.905,10.879 -1.086,10.906 -1.27,10.915 -1.27,10.914 -1.398,10.914 -1.398,88.551 0.426,90.374 0.487,90.446 0.536,90.527 0.572,90.614 0.594,90.706 0.602,90.8 0.602,99.398 217.79,99.398
P12V0 on Internal Plane 2 (split plane): 177.408,5.408 177.45,5.38 177.5,5.371 219.437,5.371 219.437,2.249 217.79,0.602 132.379,0.602 132.379,22.696 133.554,23.871 158.946,23.871
P3V3 on Internal Plane 2 (split plane): 112.183,35.116 110.946,33.879 56.304,33.879 49.379,40.804 49.379,42.946 50.804,44.371 58.196,44.371 61.658,40.908 61.7,40.88 61.75,40.871 82.75,40.871 82.8,40.88 82.842,40.908 84.554,42.621 95.196,42.621 101.158,36.658 101.2,36.63 101.25,36.621 106.623,36.621 106.673,36.63 106.715,36.658 107.835,37.778 107.863,37.82 107.873,37.87 107.873,95.948 108.097,96.173 112.183,96.173

## Keep-outs
BottomLayer:
  rectangle: 6,18.5 17.75,23.75
  rectangle: 3.021,20 6.5,22.003
  rectangle: 6,30.5 17.75,35.75
  rectangle: 3.021,32 6.5,34.003
  rectangle: 6,42.5 17.75,47.75
  rectangle: 3.021,44 6.5,46.003
  rectangle: 6,54.5 17.75,59.75
  rectangle: 3.021,56 6.5,58.003
  rectangle: 6,66.5 17.75,71.75
  rectangle: 3.021,68 6.5,70.003
  rectangle: 3.021,80 6.5,82.003
  rectangle: 6,78.5 17.75,83.75
Keep-Out Layer:
  circle w0.05: c156.5,6 r3.223
  circle w0.05: c156.5,94 r3.223
  lines w0.2: 0,90.75 0,97.45 1.75,97.45 ; 5.2,97.45 164.675,97.45 219.488,97.45 220.039,96.9 220.039,2.55 211.65,2.55 ; 7.675,2.575 37.3,2.575 ; 38.7,2.575 68,2.575 ; 69.5,2.575 171.625,2.575 209.95,2.575

## Other copper
TopLayer:
  rectangle net GND: 205,47 219.75,53
  region net LVTTL4: 18.576,82.249 18.75,82.5 19,82.385 19.153,82.188 18.814,81.909
  region net LVTTL6: 18.577,70.25 18.752,70.501 19.002,70.386 19.155,70.188 18.815,69.91
  region net LVTTL8: 18.576,58.249 18.75,58.5 19,58.385 19.153,58.188 18.814,57.909
  region net LVTTL14: 18.574,22.25 18.749,22.501 18.999,22.387 19.152,22.189 18.813,21.91
  region net LVTTL12: 18.576,34.249 18.75,34.5 19,34.385 19.153,34.188 18.814,33.909
  region net LVTTL10: 18.576,46.249 18.75,46.5 19,46.385 19.153,46.188 18.814,45.909
  region net P3V3: 89.61,41.61 90.25,42.25 90.75,42.25 90.75,39.55 89.61,40.69
  region net NetC69_2: 91.655,36.775 92.7,36.775 92.7,36.788 93.006,37.094 93,37.101 93,38.323 93.79,39.113 95.763,39.113 95.763,38.579 95.184,38 94.25,38 93.75,37.5 93.75,36.5 93.475,36.225 91.694,36.225
BottomLayer:
  rectangle net P3V3: 58,34.273 59.916,35.25
  rectangle net NetC51_2: 70,23.198 71.966,25.75
  rectangle net GND: 204.947,47 219.75,52.998
Internal Plane 2 (plane layer: these items are gaps in the copper):
  region: 17.929,19.581 16.581,19.581 15.348,18.348 7.402,18.348 5.555,20.195 1.555,20.195 1.449,20.301 1.449,21.75 5.5,21.75 6.75,23 8.75,23 9.754,24.004 15.496,24.004 16.5,23 17.539,23 17.929,22.61
  region: 17.929,31.581 16.581,31.581 15.348,30.348 7.402,30.348 5.555,32.195 1.555,32.195 1.449,32.301 1.449,33.75 5.5,33.75 6.75,35 8.75,35 9.754,36.004 15.496,36.004 16.5,35 17.539,35 17.929,34.61
  region: 17.929,43.581 16.581,43.581 15.348,42.348 7.402,42.348 5.555,44.195 1.555,44.195 1.449,44.301 1.449,45.75 5.5,45.75 6.75,47 8.75,47 9.754,48.004 15.496,48.004 16.5,47 17.539,47 17.929,46.61
  region: 17.929,55.581 16.581,55.581 15.348,54.348 7.402,54.348 5.555,56.195 1.555,56.195 1.449,56.301 1.449,57.75 5.5,57.75 6.75,59 8.75,59 9.754,60.004 15.496,60.004 16.5,59 17.539,59 17.929,58.61
  region: 17.929,67.581 16.581,67.581 15.348,66.348 7.402,66.348 5.555,68.195 1.555,68.195 1.449,68.301 1.449,69.75 5.5,69.75 6.75,71 8.75,71 9.754,72.004 15.496,72.004 16.5,71 17.539,71 17.929,70.61
  region: 17.929,79.581 16.581,79.581 15.348,78.348 7.402,78.348 5.555,80.195 1.555,80.195 1.449,80.301 1.449,81.75 5.5,81.75 6.75,83 8.75,83 9.754,84.004 15.496,84.004 16.5,83 17.539,83 17.929,82.61
  lines w0.25: 39.5,0.25 39.5,4.75 41.5,4.75 43.75,2.5 121.5,2.5 121.5,0.25
  lines w0.254: 1.449,21.75 5.5,21.75 6.75,23 8.75,23 9.754,24.004 15.496,24.004 16.5,23 17.539,23 17.929,22.61 17.929,21.004 17.929,19.58 ; 1.449,45.75 5.5,45.75 6.75,47 8.75,47 9.754,48.004 15.496,48.004 16.5,47 17.539,47 17.929,46.61 17.929,45.004 17.929,43.58 16.581,43.581 15.348,42.348 7.402,42.348 5.555,44.195 1.555,44.195 ; 1.449,57.75 5.5,57.75 6.75,59 8.75,59 9.754,60.004 15.496,60.004 16.5,59 17.539,59 17.929,58.61 17.929,57.004 17.929,55.58 ; 1.449,69.75 5.5,69.75 6.75,71 8.75,71 9.754,72.004 15.496,72.004 16.5,71 17.539,71 17.929,70.61 17.929,69.004 17.929,67.58 ; 1.449,81.75 5.5,81.75 6.75,83 8.75,83 9.754,84.004 15.496,84.004 16.5,83 17.539,83 17.929,82.61 17.929,81.004 17.929,79.58 ; 1.555,20.195 5.555,20.195 7.402,18.348 15.348,18.348 16.581,19.581 17.93,19.581 ; 1.555,32.195 5.555,32.195 7.402,30.348 15.348,30.348 16.581,31.581 17.93,31.581 17.929,33.004 17.929,34.61 17.539,35 16.5,35 15.496,36.004 9.754,36.004 8.75,35 6.75,35 5.5,33.75 1.75,33.75 ; 1.555,56.195 5.555,56.195 7.402,54.348 15.348,54.348 16.581,55.581 17.93,55.581 ; 1.555,68.195 5.555,68.195 7.402,66.348 15.348,66.348 16.581,67.581 17.93,67.581 ; 1.555,80.195 5.555,80.195 7.402,78.348 15.348,78.348 16.581,79.581 17.93,79.581 ; 62.627,41 82.75,41 84.5,42.75 95.25,42.75 101.25,36.75 106.623,36.75 107.743,37.87 107.743,96.002 108.044,96.303 112.313,96.303 112.313,35.063 111,33.75 87,33.75 62.907,33.75 56.25,33.75 49.25,40.75 49.25,43 50.75,44.5 58.25,44.5 61.75,41 63.5,41 ; 132.25,0 132.25,22.75 133.5,24 159,24 177.5,5.5 220,5.5
Internal Plane 1 (plane layer: these items are gaps in the copper):
  region: 8.753,22.999 9.759,24.004 15.496,24.004 16.5,23 17.539,23 17.929,22.61 17.929,19.581 16.581,19.581 15.348,18.348 7.402,18.348 5.555,20.195 1.555,20.195 1.449,20.301 1.449,21.75 5.501,21.75 6.75,22.999
  region: 8.753,34.999 9.759,36.004 15.496,36.004 16.5,35 17.539,35 17.929,34.61 17.929,31.581 16.581,31.581 15.348,30.348 7.402,30.348 5.555,32.195 1.555,32.195 1.449,32.301 1.449,33.75 5.501,33.75 6.75,34.999
  region: 8.753,46.999 9.759,48.004 15.496,48.004 16.5,47 17.539,47 17.929,46.61 17.929,43.581 16.581,43.581 15.348,42.348 7.402,42.348 5.555,44.195 1.555,44.195 1.449,44.301 1.449,45.75 5.501,45.75 6.75,46.999
  region: 8.753,58.999 9.759,60.004 15.496,60.004 16.5,59 17.539,59 17.929,58.61 17.929,55.581 16.581,55.581 15.348,54.348 7.402,54.348 5.555,56.195 1.555,56.195 1.449,56.301 1.449,57.75 5.501,57.75 6.75,58.999
  region: 8.753,70.999 9.759,72.004 15.496,72.004 16.5,71 17.539,71 17.929,70.61 17.929,67.581 16.581,67.581 15.348,66.348 7.402,66.348 5.555,68.195 1.555,68.195 1.449,68.301 1.449,69.75 5.501,69.75 6.75,70.999
  region: 8.753,82.999 9.759,84.004 15.496,84.004 16.5,83 17.539,83 17.929,82.61 17.929,79.581 16.581,79.581 15.348,78.348 7.402,78.348 5.555,80.195 1.555,80.195 1.449,80.301 1.449,81.75 5.501,81.75 6.75,82.999
  lines w0.254: 1.449,21.75 5.5,21.75 6.75,23 8.75,23 9.754,24.004 15.496,24.004 16.5,23 17.539,23 17.929,22.61 17.929,21.004 17.929,19.58 ; 1.449,33.75 5.5,33.75 6.75,35 8.75,35 9.754,36.004 15.496,36.004 16.5,35 17.539,35 17.929,34.61 17.929,33.004 17.929,31.58 16.581,31.581 15.348,30.348 7.402,30.348 5.555,32.195 1.555,32.195 ; 1.449,45.75 5.5,45.75 6.75,47 8.75,47 9.754,48.004 15.496,48.004 16.5,47 17.539,47 17.929,46.61 17.929,45.004 17.929,43.58 16.581,43.581 15.348,42.348 7.402,42.348 5.555,44.195 1.555,44.195 ; 1.449,57.75 5.5,57.75 6.75,59 8.75,59 9.754,60.004 15.496,60.004 16.5,59 17.539,59 17.929,58.61 17.929,57.004 17.929,55.58 ; 1.449,69.75 5.5,69.75 6.75,71 8.75,71 9.754,72.004 15.496,72.004 16.5,71 17.539,71 17.929,70.61 17.929,69.004 17.929,67.58 17.93,67.581 16.581,67.581 15.348,66.348 7.402,66.348 5.555,68.195 1.555,68.195 ; 1.449,81.75 5.5,81.75 6.75,83 8.75,83 9.754,84.004 15.496,84.004 16.5,83 17.539,83 17.929,82.61 17.929,81.004 17.929,79.58 ; 1.555,20.195 5.555,20.195 7.402,18.348 15.348,18.348 16.581,19.581 17.93,19.581 ; 1.555,56.195 5.555,56.195 7.402,54.348 15.348,54.348 16.581,55.581 17.93,55.581 ; 1.555,80.195 5.555,80.195 7.402,78.348 15.348,78.348 16.581,79.581 17.93,79.581

## Silkscreen, mask and mechanical layers (free items; w line width, h text height)
TopOverlay:
  drawing of 15 lines, arcs and shapes, not listed
  text "SCKI" at 99,94 h1
  text "SDI" at 99,90.221 h1
  text "CH1" at 6.75,86.5 h2
  text "SDO" at 99,85.941 h1
  text "GND" at 99,82.941 h1
  text "CSn" at 99,79.25 h1
  text "CH2" at 6.75,73.5 h2
  text "REF" at 78.812,72.25 h1
  text "WUT ISE" at 171,70 h1.02
  text "ALICE PMT Simulator" at 167.5,67.5 h1.52
  text "EEM 1" at 133.25,61.25 h1
  text "EEM 0" at 152,61.25 h1
  text "CH3" at 6.75,61 h2
  text "2024 / v1.0.1" at 182.5,58 h3
  text "CH4" at 6.75,49.25 h2
  text "P12V0" at 107.311,42.06 h0.8 r90
  text "P3V3" at 104.606,42.031 h0.8 r90
  text "CH5" at 6.672,36.966 h2
  text "P3V3" at 73.75,36.75 h1
  text "CH6" at 6.672,24.966 h2
  text "N12V0" at 57.005,20.75 h1
  text "GND" at 62.351,19.3 h0.8
  text "P12V0" at 57.005,17.75 h1
BottomOverlay:
  drawing of 6 lines, arcs and shapes, not listed
  text "WUT ISE" at 196.104,69.384 h1.02
  text "ALICE PMT Simulator" at 199.604,66.884 h1.52
  text "2024 / v1.0.1" at 184.604,57.384 h3
TopSolder:
  rectangle: 2.8,0.603 4.977,2.375
  rectangle: 0.623,0.603 2.8,2.4
  rectangle: 4.45,0.603 219.419,2.4
  region: 206.037,51.755 206.037,48.255 220,48.255 220,51.755
BottomSolder:
  rectangle: 0,0.5 220,2.25
  region: 206.037,51.755 206.037,48.255 220,48.255 220,51.755
Mechanical 1:
  lines w0.1: -2,10.312 -1.27,10.312 cw(c-1.27,9.042) 0,9.042 0,7.967 0,0 218.039,0 220.039,2 220.039,98 218.039,100 0,100 0,90.8 -2,88.8 -2,10.312
  lines w0.381: 62.94,119.238 73.352,119.238 85.288,119.238 111.696,119.238 133.534,119.238 150.04,119.238 164.515,119.238 ; 62.94,122.286 73.352,122.286 85.288,122.286 111.696,122.286 133.534,122.286 150.04,122.286 164.515,122.286 ; 62.94,125.334 73.352,125.334 85.288,125.334 111.696,125.334 133.534,125.334 150.04,125.334 164.515,125.334 ; 62.94,128.382 73.352,128.382 85.288,128.382 111.696,128.382 133.534,128.382 150.04,128.382 164.515,128.382 ; 62.94,131.43 73.352,131.43 85.288,131.43 111.696,131.43 133.534,131.43 150.04,131.43 164.515,131.43 ; 62.94,134.478 73.352,134.478 85.288,134.478 111.696,134.478 133.534,134.478 150.04,134.478 164.515,134.478 ; 62.94,137.526 73.352,137.526 85.288,137.526 111.696,137.526 133.534,137.526 150.04,137.526 164.515,137.526 ; 62.94,140.574 73.352,140.574 85.288,140.574 111.696,140.574 133.534,140.574 150.04,140.574 164.515,140.574 ; 62.94,143.622 73.352,143.622 85.288,143.622 111.696,143.622 133.534,143.622 150.04,143.622 164.515,143.622 ; 62.94,146.67 73.352,146.67 85.288,146.67 111.696,146.67 133.534,146.67 150.04,146.67 164.515,146.67 ; 62.94,149.718 164.515,149.718 ; 73.352,152.766 73.352,116.19 ; 85.288,152.766 85.288,116.19 ; 111.696,152.766 111.696,116.19 ; 133.534,152.766 133.534,116.19 ; 150.04,152.766 150.04,116.19 ; 73.352,116.19 62.94,116.19 62.94,152.766 164.515,152.766 164.515,116.19 150.04,116.19 ; 73.352,116.19 85.288,116.19 ; 85.288,116.19 111.696,116.19 ; 111.696,116.19 133.534,116.19 ; 133.534,116.19 150.04,116.19
  text "Layer" at 64.718,150.48 h1.52
  text "Gerber" at 75.13,150.48 h1.52
  text "Name" at 87.066,150.48 h1.52
  text "Material" at 113.474,150.48 h1.52
  text "Thickness" at 135.312,150.48 h1.52
  text "Constant" at 151.818,150.48 h1.52
  text "GTO" at 75.13,147.432 h1.52
  text "TopOverlay" at 87.066,147.432 h1.52
  text "GTS" at 75.13,144.384 h1.52
  text "TopSolder" at 87.066,144.384 h1.52
  text "Solder Resist" at 113.474,144.384 h1.52
  text "0.025mm" at 135.312,144.384 h1.52
  text "3.7" at 151.818,144.384 h1.52
  text "1" at 64.718,141.336 h1.52
  text "GTL" at 75.13,141.336 h1.52
  text "TopLayer" at 87.066,141.336 h1.52
  text "0.035mm" at 135.312,141.336 h1.52
  text "Dielectric1" at 87.066,138.288 h1.52
  text "FR-4" at 113.474,138.288 h1.52
  text "0.138mm" at 135.312,138.288 h1.52
  text "4.3" at 151.818,138.288 h1.52
  text "2" at 64.718,135.24 h1.52
  text "GP1" at 75.13,135.24 h1.52
  text "Internal Plane 1" at 87.066,135.24 h1.52
  text "0.018mm" at 135.312,135.24 h1.52
  text "Dielectric3" at 87.066,132.192 h1.52
  text "FR-4" at 113.474,132.192 h1.52
  text "1.130mm" at 135.312,132.192 h1.52
  text "4.6" at 151.818,132.192 h1.52
  text "3" at 64.718,129.144 h1.52
  text "GP2" at 75.13,129.144 h1.52
  text "Internal Plane 2" at 87.066,129.144 h1.52
  text "0.018mm" at 135.312,129.144 h1.52
  text "Dielectric5" at 87.066,126.096 h1.52
  text "FR-4" at 113.474,126.096 h1.52
  text "0.138mm" at 135.312,126.096 h1.52
  text "4.3" at 151.818,126.096 h1.52
  text "4" at 64.718,123.048 h1.52
  text "GBL" at 75.13,123.048 h1.52
  text "BottomLayer" at 87.066,123.048 h1.52
  text "0.035mm" at 135.312,123.048 h1.52
  text "GBS" at 75.13,120 h1.52
  text "BottomSolder" at 87.066,120 h1.52
  text "Solder Resist" at 113.474,120 h1.52
  text "0.025mm" at 135.312,120 h1.52
  text "3.7" at 151.818,120 h1.52
  text "GBO" at 75.13,116.952 h1.52
  text "BottomOverlay" at 87.066,116.952 h1.52
Mechanical 2:
  lines w0.1: -2.544,-14.238 -2.544,108.444
Mechanical 13:
  lines w0.01: -3.35,-0.784 -3.35,80.924

## Text inside footprints (layer, text, board x,y; h text height)
IC14: TopOverlay "23" at 117.239,13.98 h1.2 r180; TopOverlay "14" at 94.313,13.98 h1.2 r180; TopOverlay "11" at 94.028,25.22 h1.2 r180; TopOverlay "2" at 116.705,25.22 h1.2 r180
J6: TopOverlay "1" at 197.989,4.15 h1 r90; TopOverlay "2" at 197.989,6.15 h1 r90; TopOverlay "3" at 197.989,8.15 h1 r90; TopOverlay "4" at 197.989,10.15 h1 r90; TopOverlay "5" at 197.989,12.15 h1 r90; TopOverlay "6" at 197.989,14.15 h1 r90; Drill Drawing "PRESS-FIT TECHNOLOGY" at 218.689,17 h1 r180; Drill Drawing "Diam. 0.5mm +/-0.05" at 218.689,18.5 h1 r180; Mechanical 14 "A" at 218.439,1.3 h1 r90; Mechanical 14 "B" at 217.039,1.3 h1 r90; Mechanical 14 "C" at 215.639,1.3 h1 r90; Mechanical 14 "D" at 214.239,2.3 h1 r90; Mechanical 14 "E" at 212.839,2.3 h1 r90; Mechanical 14 "F" at 211.439,2.3 h1 r90; Mechanical 14 "G" at 210.039,2.3 h1 r90; Mechanical 14 "H" at 208.639,2.3 h1 r90; Mechanical 14 "I" at 207.239,2.55 h1 r90; Mechanical 14 "J" at 205.839,2.3 h1 r90; Mechanical 14 "K" at 204.439,2.3 h1 r90; Mechanical 14 "L" at 203.039,2.3 h1 r90; Mechanical 14 "1" at 197.989,4.15 h1 r90; Mechanical 14 "2" at 197.989,6.15 h1 r90; Mechanical 14 "3" at 197.989,8.15 h1 r90; Mechanical 14 "4" at 197.989,10.15 h1 r90; Mechanical 14 "5" at 197.989,12.15 h1 r90; Mechanical 14 "6" at 197.989,14.15 h1 r90; Mechanical 8 "Top Surface of Mother Board" at 232.289,5.125 h0.5 r90; Mechanical 8 "Edge of Daugher Card" at 220.789,6.275 h0.5 r90
J7: TopOverlay "7" at 197.989,93.15 h1 r90; TopOverlay "8" at 197.989,95.15 h1 r90; TopOverlay "6" at 197.989,91.15 h1 r90; TopOverlay "5" at 197.989,89.15 h1 r90; TopOverlay "4" at 197.989,87.15 h1 r90; TopOverlay "3" at 197.989,85.15 h1 r90; TopOverlay "2" at 197.989,83.15 h1 r90; TopOverlay "1" at 197.989,81.15 h1 r90; TopOverlay "L" at 203.039,79.3 h1 r90; TopOverlay "K" at 204.439,79.3 h1 r90; TopOverlay "J" at 205.839,79.3 h1 r90; TopOverlay "I" at 207.239,79.55 h1 r90; TopOverlay "H" at 208.639,79.3 h1 r90; TopOverlay "G" at 210.039,79.3 h1 r90; TopOverlay "F" at 211.439,79.3 h1 r90; TopOverlay "E" at 212.839,79.3 h1 r90; TopOverlay "D" at 214.239,79.3 h1 r90; TopOverlay "C" at 215.639,78.3 h1 r90; TopOverlay "B" at 217.039,78.3 h1 r90; TopOverlay "A" at 218.439,78.3 h1 r90; Drill Drawing "Diam. 0.5mm +/-0.05" at 218.689,99.5 h1 r180; Drill Drawing "PRESS-FIT TECHNOLOGY" at 218.689,98 h1 r180; Mechanical 14 "7" at 197.989,93.15 h1 r90; Mechanical 14 "8" at 197.989,95.15 h1 r90; Mechanical 14 "6" at 197.989,91.15 h1 r90; Mechanical 14 "5" at 197.989,89.15 h1 r90; Mechanical 14 "4" at 197.989,87.15 h1 r90; Mechanical 14 "3" at 197.989,85.15 h1 r90; Mechanical 14 "2" at 197.989,83.15 h1 r90; Mechanical 14 "1" at 197.989,81.15 h1 r90; Mechanical 14 "L" at 203.039,79.3 h1 r90; Mechanical 14 "K" at 204.439,79.3 h1 r90; Mechanical 14 "J" at 205.839,79.3 h1 r90; Mechanical 14 "I" at 207.239,79.55 h1 r90; Mechanical 14 "H" at 208.639,79.3 h1 r90; Mechanical 14 "G" at 210.039,79.3 h1 r90; Mechanical 14 "F" at 211.439,79.3 h1 r90; Mechanical 14 "E" at 212.839,79.3 h1 r90; Mechanical 14 "D" at 214.239,79.3 h1 r90; Mechanical 14 "C" at 215.639,78.3 h1 r90; Mechanical 14 "B" at 217.039,78.3 h1 r90; Mechanical 14 "A" at 218.439,78.3 h1 r90; Mechanical 8 "Edge of Daugher Card" at 220.789,85.275 h0.5 r90; Mechanical 8 "Top Surface of Mother Board" at 232.289,84.125 h0.5 r90
J8: TopOverlay "30" at 157.051,20.873 h1.02 r270; Mechanical 14 "30" at 157.051,20.873 h1.02 r270
J9: TopOverlay "30" at 138.281,20.899 h1.02 r270; Mechanical 14 "30" at 138.281,20.899 h1.02 r270